# Altium PCB IMX035_PCB_Rev_C.c.PcbDoc (part 2 of 2)
Units mil, origin at the board's own origin, x right, y up, seen from the top; angles counter-clockwise.
Board outline 1654.54 x 1654.54 mil, 6 copper layers (TOP, A-VCC, A-GND, D-VCC, D-GND, BOTTOM), stack 47.2 mil thick; 71 components, 136 nets, 334 pads, 240 vias.
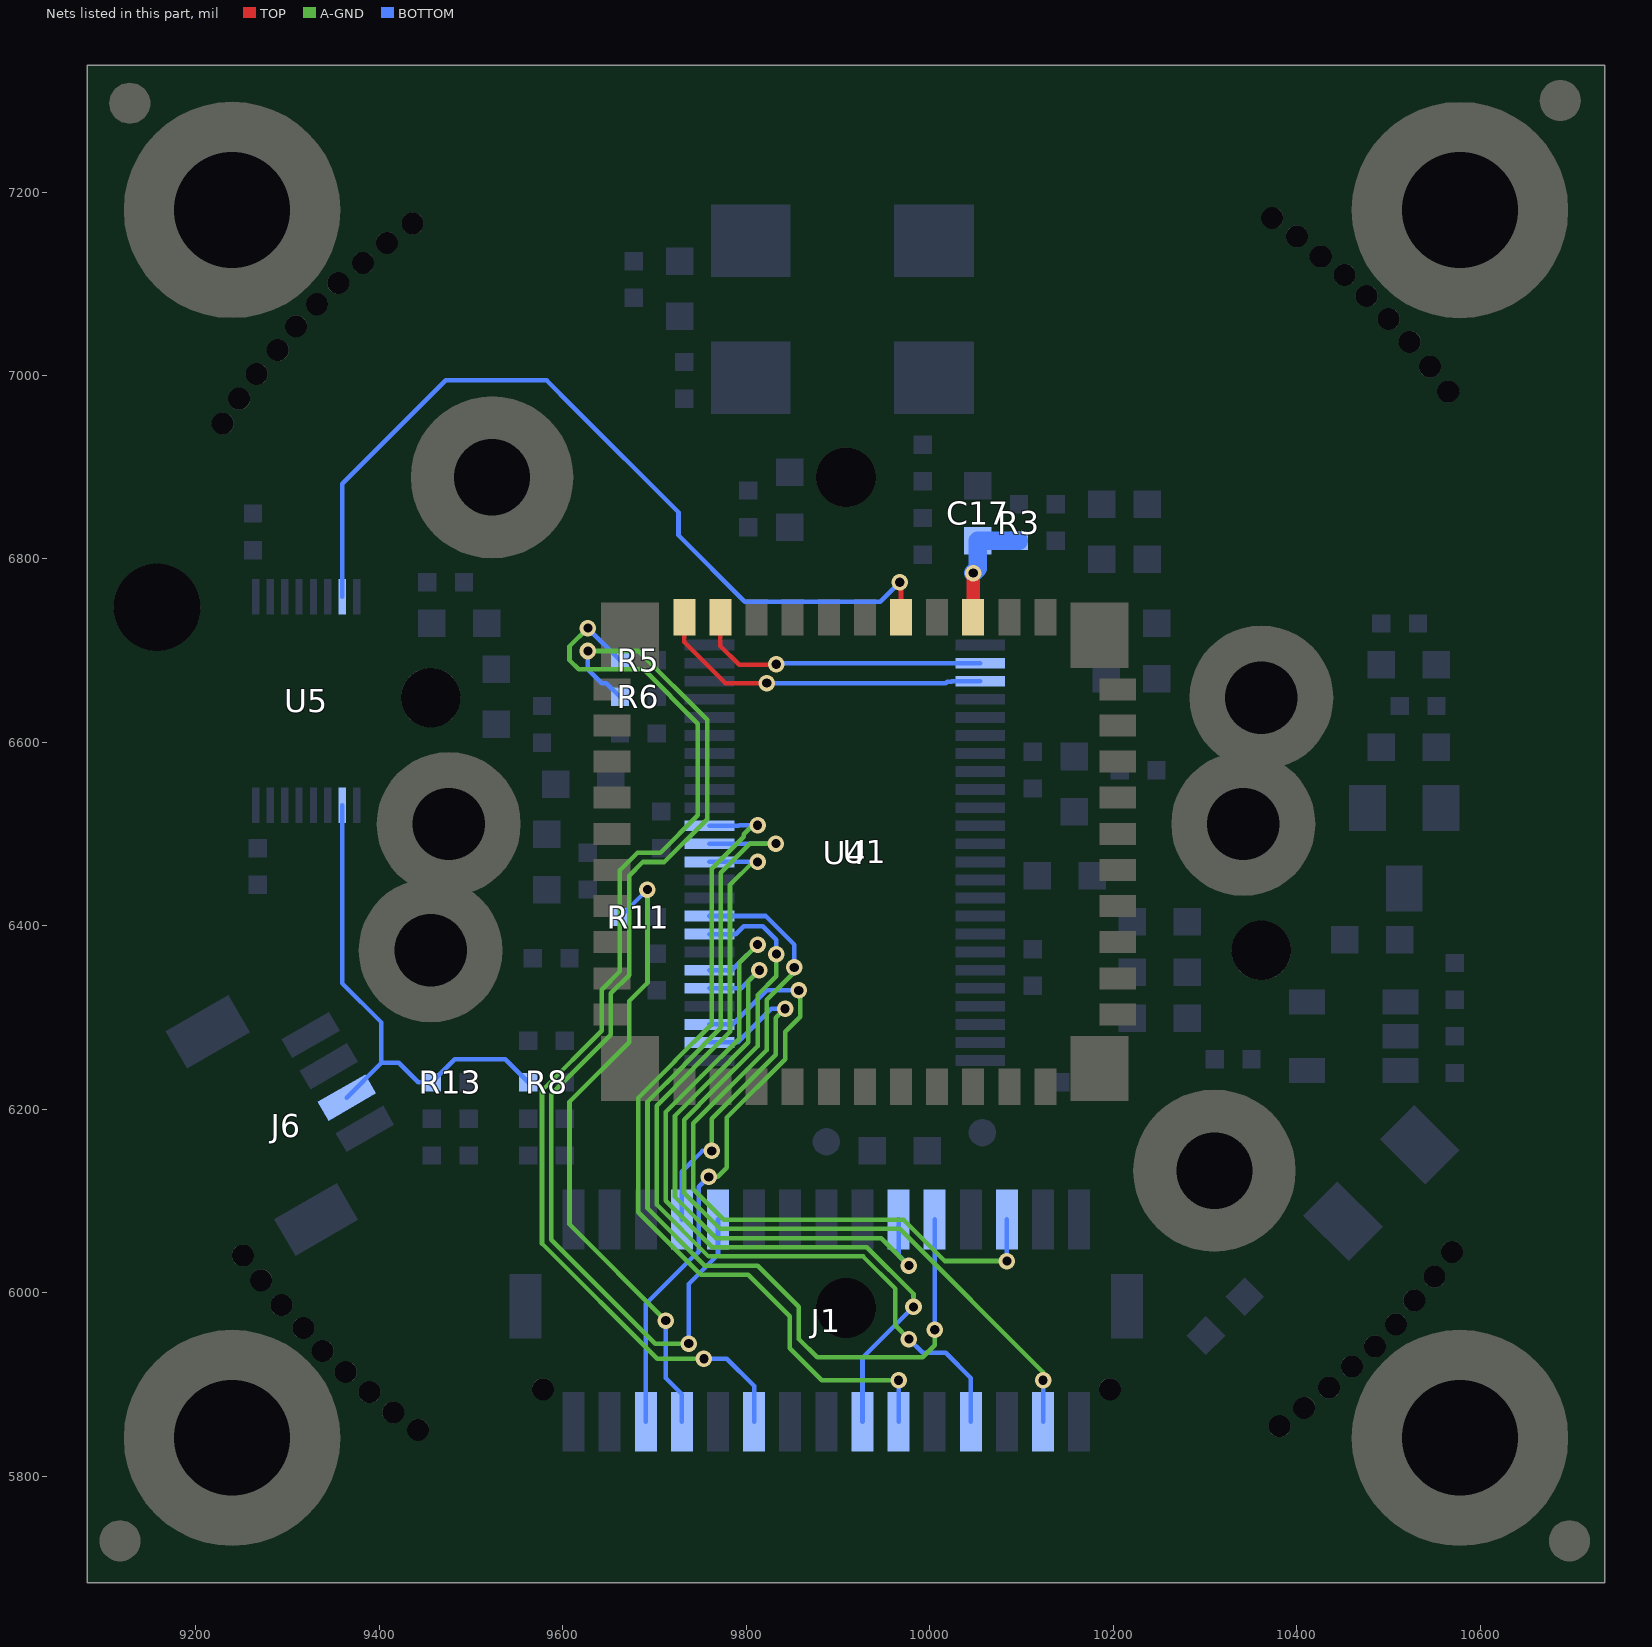
[diagram p6: the nets of this part, all layers, seen from the top]

## Via types
v1: diameter 24, hole 12, TOP to BOTTOM, 177 vias
v2: diameter 18, hole 10, TOP to BOTTOM, 63 vias

## Nets (pads, with @x,y where several pads share a name; then routed paths per layer and width w, separated by ;. In a path a pad name is that pad's centre, name@x,y a point inside that pad or via, vN(x,y) a via of type N, cw(c..) or ccw(c..) an arc to the next point about the centre after c; other vN are vias at no path point) (continued)
VIC_D3: J1.11 U4.38 | length 956.5
  A-GND w5: v2(9812.25,6509.65) 9807.11,6509.65 9797.25,6499.8 9797.25,6497.22 9762.25,6462.22 9762.25,6292.94 9722.25,6252.94 9722.25,6252.37 9682.25,6212.37 9682.25,6087.94 9750.54,6019.65 9802.25,6019.65 9847.25,5974.65 9847.25,5939.65 9882.25,5904.65 v2(9965.99,5904.65)
  BOTTOM w5: U4.38@9759.89,6509.18 9791.78,6509.18 9792.25,6509.65 v2(9812.25,6509.65) ; J1.11@9965.99,5859.41 v2(9965.99,5904.65)
VIC_D4: J1.10 U4.37 | length 1088.1
  A-GND w5: v2(9832.25,6489.65) 9803.83,6489.65 9772.25,6458.08 9772.25,6288.8 9732.25,6248.8 9732.25,6248.23 9692.25,6208.23 9692.25,6092.08 9754.68,6029.65 9812.25,6029.65 9857.25,5984.65 9857.25,5949.65 9877.25,5929.65 9992.25,5929.65 10005.36,5942.76 v2(10005.36,5959.65)
  BOTTOM w5: U4.37@9759.89,6489.49 9832.09,6489.49 v2(9832.25,6489.65) ; v2(10005.36,5959.65) J1.10@10005.36,6079.89
VIC_D5: J1.7 U4.36 | length 966.3
  A-GND w5: v2(9812.25,6469.65) 9807.25,6469.65 9782.25,6444.65 9782.25,6284.65 9742.25,6244.65 9742.25,6244.08 9702.25,6204.08 9702.25,6096.23 9758.83,6039.65 9927.25,6039.65 9962.25,6004.65 9962.25,5964.65 v2(9977.25,5949.65)
  BOTTOM w5: U4.36@9759.89,6469.81 9812.09,6469.81 v2(9812.25,6469.65) ; v2(9977.25,5949.65) 9992.25,5934.65 10017.25,5934.65 10044.73,5907.17 J1.7@10044.73,5859.41
VIC_D6: J1.6 U4.33 | length 837.1
  A-GND w5: v2(9852.25,6354.65) 9852.25,6349.65 9822.25,6319.65 9822.25,6264.65 9742.25,6184.65 9742.25,6112.8 9775.4,6079.65 9971.4,6079.65 10016.4,6034.65 v2(10084.1,6034.65)
  BOTTOM w5: U4.33@9759.89,6410.75 9821.16,6410.75 9852.25,6379.65 v2(9852.25,6354.65) ; v2(10084.1,6034.65) J1.6@10084.1,6079.89
VIC_D7: J1.3 U4.32 | length 926.6
  A-GND w5: v2(9832.76,6369.25) 9832.76,6368.85 9832.83,6368.8 9832.83,6345.23 9812.25,6324.65 9812.25,6268.8 9765.18,6221.73 9732.25,6188.8 9732.25,6108.65 9771.25,6069.65 9967.25,6069.65 10123.47,5913.43 v2(10123.47,5904.65)
  BOTTOM w5: U4.32@9759.89,6391.07 9788.67,6391.07 9797.25,6399.65 9818.11,6399.65 9832.76,6385 v2(9832.76,6369.25) ; J1.3@10123.47,5859.41 v2(10123.47,5904.65)
VIC_D8: J1.13 U4.30 | length 859.1
  A-GND w5: v2(9812.25,6379.65) 9792.25,6359.65 9792.25,6277.08 9751.04,6235.87 9712.25,6197.08 9712.25,6100.37 9762.97,6049.65 9931.4,6049.65 9982.25,5998.8 v2(9982.25,5984.65)
  BOTTOM w5: U4.30@9759.89,6351.7 9784.3,6351.7 v2(9812.25,6379.65) ; J1.13@9926.62,5859.41 9926.62,5929.02 v2(9982.25,5984.65)
VIC_D9: J1.12 U4.29 | length 688.7
  A-GND w5: v2(9814.25,6351.65) 9802.25,6339.65 9802.25,6272.94 9762.25,6232.94 9754.74,6225.43 9722.25,6192.94 9722.25,6104.51 9767.11,6059.65 9947.25,6059.65 v2(9977.25,6029.65)
  BOTTOM w5: U4.29@9759.89,6332.01 9794.61,6332.01 v2(9814.25,6351.65) ; J1.12@9965.99,6079.89 9965.99,6040.91 v2(9977.25,6029.65)
VIC_D10: J1.25 U4.27 | length 659.7
  A-GND w5: v2(9758.99,6126.39) 9768.99,6126.39 9778.75,6136.15 9778.75,6191.15 9842.25,6254.65 9842.25,6284.65 9858.75,6301.15 9858.75,6328.15 v2(9857.25,6329.65)
  BOTTOM w5: J1.25@9690.4,5859.41 9690.4,5987.8 9743.49,6040.89 9744.47,6040.89 9748.27,6044.7 9748.27,6115.67 v2(9758.99,6126.39) ; U4.27@9759.89,6292.64 9785.24,6292.64 9822.25,6329.65 v2(9857.25,6329.65)
VIC_D11: J1.24 U4.26 | length 379.8
  A-GND w5: v2(9762.25,6154.65) 9762.25,6189.65 9832.25,6259.65 9832.25,6299.65 v2(9842.25,6309.65)
  BOTTOM w5: J1.24@9729.77,6079.89 9729.77,6132.17 9752.25,6154.65 v2(9762.25,6154.65) ; U4.26@9759.89,6272.96 9790.56,6272.96 9827.25,6309.65 v2(9842.25,6309.65)
VIC_HS: J1.19 R5.2 | length 1247.8
  A-GND w5: v2(9627.25,6724.65) 9607.25,6704.65 9607.25,6689.65 9617.25,6679.65 9688.11,6679.65 9747.25,6620.51 9747.25,6520.51 9706.4,6479.65 9681.4,6479.65 9662.25,6460.51 9662.25,6350.51 9642.25,6330.51 9642.25,6285.51 9577.25,6220.51 9577.25,6053.8 9702.9,5928.15 v2(9753.75,5928.15)
  BOTTOM w5: v2(9627.25,6724.65) R5.2@9662.25,6689.65 ; v2(9753.75,5928.15) 9778.75,5928.15 9808.51,5898.39 J1.19@9808.51,5859.41
VIC_PCLK: J1.23 R11.2 | length 708.6
  A-GND w5: v2(9692.25,6439.65) 9692.25,6338.08 9672.25,6318.08 9672.25,6273.08 9607.25,6208.08 9607.25,6074.65 v2(9712.25,5969.65)
  BOTTOM w5: R11.2@9662.25,6409.65 v2(9692.25,6439.65) ; v2(9712.25,5969.65) 9712.25,5907.17 9729.77,5889.65 J1.23@9729.77,5859.41
VIC_VS: J1.22 R6.2 | length 1224.6
  A-GND w5: v2(9627.25,6699.65) 9682.25,6699.65 9757.25,6624.65 9757.25,6516.37 9710.54,6469.65 9687.25,6469.65 9672.25,6454.65 9672.25,6346.37 9652.25,6326.37 9652.25,6281.37 9587.25,6216.36 9587.25,6057.94 9700.54,5944.65 v2(9737.25,5944.65)
  BOTTOM w5: v2(9627.25,6699.65) 9627.25,6679.65 9642.25,6664.65 9647.25,6664.65 R6.2@9662.25,6649.65 ; v2(9737.25,5944.65) 9737.25,6009.65 9769.14,6041.54 J1.22@9769.14,6079.89
VICD0: 
VICD1: 
VICD2: 
VICD3: 
VICD4: 
VICD5: 
VICD6: 
VICD7: 
VICD8: 
VICD9: 
VICD10: 
VICD11: 
VICHS: 
VICPCLKIN: 
VICPCLKOUT: 
VICRSTN: 
VICSCK: 
VICSCS: 
VICSI: 
VICSO: 
VICVS: 
VS: 
XCE_S: U1.J14 U5.7 | length 939.5
  TOP w5: v2(9967.25,6774.65) 9968.62,6773.28 U1.J14@9968.62,6736.56
  BOTTOM w5: U5.7@9359.65,6758.83 9359.65,6882.05 9472.25,6994.65 9582.25,6994.65 9583.46,6993.44 9610.36,6966.55 9726.04,6850.86 9726.04,6825.86 9798.46,6753.44 9946.04,6753.44 v2(9967.25,6774.65)
XCES: J6.3 R8.1 R13.1 U5.10 | length 541.3
  BOTTOM w5: U5.10@9359.65,6531.47 9359.65,6337.25 9402.25,6294.65 9402.25,6250.61 ; J6.3@9364.51,6212.86 9402.25,6250.61 ; R8.1@9562.25,6229.65 9537.25,6254.65 9482.25,6254.65 R13.1@9457.25,6229.65 9442.25,6229.65 9421.3,6250.61 9402.25,6250.61
XCLR_S: C17.2 R3.1 U1.L14 | length 130.1
  TOP w15: U1.L14@10047.36,6736.56 v2(10047.36,6784.65)
  BOTTOM w20: v2(10047.36,6784.65) 10052.25,6789.54 C17.2@10052.25,6819.65 R3.1@10097.25,6819.65
XHS_S: U1.D14 U4.2 | length 324
  TOP w5: U1.D14@9771.77,6736.56 9771.77,6705.13 9792.25,6684.65 9831.97,6684.65 v2(9832.54,6685.23)
  BOTTOM w5: v2(9832.54,6685.23) 9837.83,6685.23 9838.94,6686.34 U4.2@10055.17,6686.34
XVS_S: U1.C14 U4.3 | length 369.2
  TOP w5: U1.C14@9732.4,6736.56 9732.4,6709.5 9777.25,6664.65 v2(9822.25,6664.65)
  BOTTOM w5: v2(9822.25,6664.65) 10017.25,6664.65 10018.94,6666.34 10023.94,6666.34 10024.26,6666.66 U4.3@10055.17,6666.66
pads on no net: H13.1 H14.1 H15.1 H16.1 J1.20 J1.21 J1.28 J1.30 J1.33 J1.34 U1.A14 U1.R14 U5.4 U5.13 X1.1

## Polygon pours and split planes (outlines as drawn)
3V3_S on BOTTOM (solid, pour order 46): 47 vertices, not listed, extent 10320.7,5974.54 10490.7,6213.88
GND_S on BOTTOM (solid, pour order 36): 2550 vertices, not listed, extent 9140.09,5739.46 10680,7281.77
GND_S on BOTTOM (solid, pour order 34): 118 vertices, not listed, extent 10182.84,5888.5 10281.04,6024.65
GND_S on BOTTOM (solid, pour order 32): 964 vertices, not listed, extent 9477.38,6122.39 9809.75,6619.98
GND_S on BOTTOM (solid, pour order 30): 63 vertices, not listed, extent 9324.75,6152.15 9437.25,6238.1
GND_S on BOTTOM (solid, pour order 28): 114 vertices, not listed, extent 10092.18,6322.15 10159.98,6364.22
GND_S on BOTTOM (solid, pour order 26): 306 vertices, not listed, extent 10090.7,6394.7 10182.2,6709.65
GND_S on BOTTOM (solid, pour order 24): 435 vertices, not listed, extent 9800.7,6423.25 10011.1,6647.95
GND_S on BOTTOM (solid, pour order 22): 172 vertices, not listed, extent 10232.2,6552.29 10295.26,6605.71
GND_S on BOTTOM (solid, pour order 20): 110 vertices, not listed, extent 9636.95,6706.74 9752.3,6754.91
GND_S on BOTTOM (solid, pour order 18): 164 vertices, not listed, extent 9554.71,6780.96 9723.66,6982.15
GND_S on BOTTOM (solid, pour order 16): 437 vertices, not listed, extent 9805.7,6430.46 9995.7,6647.24
D1V8_S on BOTTOM (solid, pour order 6): 10510.7,6794.54 10510.7,6684.54 10500.7,6674.54 10480.7,6674.54 10435.7,6719.54 10435.7,6779.54 10460.7,6804.54 10500.7,6804.54 10510.7,6794.54
N22563992 on BOTTOM (solid, pour order 2): 10540.7,6704.54 10570.7,6704.54 10580.7,6694.54 10580.7,6514.54 10570.7,6504.54 10545.7,6504.54 10535.7,6514.54 10535.7,6699.54 10540.7,6704.54
3V3_S on D-VCC (solid, pour order 44): 2905 vertices, not listed, extent 9140.09,5739.46 10677.25,6759.65
D1V8_S on D-VCC (solid, pour order 4): 2992 vertices, not listed, extent 9155.13,6129.65 10676.94,7282.04
GND_S on A-VCC (solid, pour order 8): 138 vertices, not listed, extent 9140.09,5739.46 10680,7281.77
GND_S on A-GND (solid, pour order 12): 138 vertices, not listed, extent 9140.09,5739.46 10680,7281.77
GND_S on A-GND (solid, pour order 10): 106 vertices, not listed, extent 9684.75,6281.2 9719.75,6457.15
GND_S on D-GND (solid, pour order 14): 138 vertices, not listed, extent 9140.09,5739.46 10680,7281.77
GND_S on TOP (solid, pour order 42): 176 vertices, not listed, extent 9147.99,5748.01 10671.77,7274.06
GND_S on TOP (solid, pour order 40): 1635 vertices, not listed, extent 9675.7,6249.54 10175.7,6706.56
GND_S on TOP (solid, pour order 38): 156 vertices, not listed, extent 10234.84,6549.29 10295.26,6605.71
no net on SILK_BOT (solid): 9611.47,6889.02 ccw(c9522.85,6889.02) 9522.85,6977.64 ccw(c9522.85,6889.02) 9434.22,6889.02 ccw(c9522.85,6889.02) 9522.85,6800.4 ccw(c9522.85,6889.02) 9611.47,6889.02
no net on SILK_BOT (solid): 10398.87,6133.12 ccw(c10310.25,6133.12) 10310.25,6221.74 ccw(c10310.25,6133.12) 10221.63,6133.12 ccw(c10310.25,6133.12) 10310.25,6044.5 ccw(c10310.25,6133.12) 10398.87,6133.12
no net on SILK_BOT (solid): 9535.08,6373.27 ccw(c9455.92,6373.27) 9455.92,6452.43 ccw(c9455.92,6373.27) 9376.76,6373.27 ccw(c9455.92,6373.27) 9455.92,6294.1 ccw(c9455.92,6373.27) 9535.08,6373.27
no net on SILK_BOT (solid): 9554.76,6511.07 ccw(c9475.6,6511.07) 9475.6,6590.23 ccw(c9475.6,6511.07) 9396.44,6511.07 ccw(c9475.6,6511.07) 9475.6,6431.9 ccw(c9475.6,6511.07) 9554.76,6511.07
no net on SILK_BOT (solid): 10420.9,6511.07 ccw(c10341.74,6511.07) 10341.74,6590.23 ccw(c10341.74,6511.07) 10262.58,6511.07 ccw(c10341.74,6511.07) 10341.74,6431.9 ccw(c10341.74,6511.07) 10420.9,6511.07
no net on SILK_BOT (solid): 10440.59,6648.86 ccw(c10361.43,6648.86) 10361.43,6728.02 ccw(c10361.43,6648.86) 10282.26,6648.86 ccw(c10361.43,6648.86) 10361.43,6569.7 ccw(c10361.43,6648.86) 10440.59,6648.86
no net on SILK_BOT (solid): 9488.23,6648.86 ccw(c9455.92,6648.86) 9455.92,6681.17 ccw(c9455.92,6648.86) 9423.61,6648.86 ccw(c9455.92,6648.86) 9455.92,6616.55 ccw(c9455.92,6648.86) 9488.23,6648.86
no net on SILK_BOT (solid): 9940.98,5983.51 ccw(c9908.67,5983.51) 9908.67,6015.82 ccw(c9908.67,5983.51) 9876.36,5983.51 ccw(c9908.67,5983.51) 9908.67,5951.2 ccw(c9908.67,5983.51) 9940.98,5983.51
no net on SILK_BOT (solid): 9940.98,6889.02 ccw(c9908.67,6889.02) 9908.67,6921.33 ccw(c9908.67,6889.02) 9876.35,6889.02 ccw(c9908.67,6889.02) 9908.67,6856.71 ccw(c9908.67,6889.02) 9940.98,6889.02
no net on SILK_BOT (solid): 10393.74,6373.27 ccw(c10361.43,6373.27) 10361.43,6405.58 ccw(c10361.43,6373.27) 10329.11,6373.27 ccw(c10361.43,6373.27) 10361.43,6340.96 ccw(c10361.43,6373.27) 10393.74,6373.27
no net on SILK_BOT (solid): 9204.92,6747.29 ccw(c9157.54,6747.29) 9157.54,6794.67 ccw(c9157.54,6747.29) 9110.15,6747.29 ccw(c9157.54,6747.29) 9157.54,6699.9 ccw(c9157.54,6747.29) 9204.92,6747.29
no net on SILK_BOT (solid): 9350.19,5936.65 ccw(c9338.19,5936.65) 9338.19,5948.65 ccw(c9338.19,5936.65) 9326.19,5936.65 ccw(c9338.19,5936.65) 9338.19,5924.65 ccw(c9338.19,5936.65) 9350.19,5936.65
no net on SILK_BOT (solid): 9329.19,5961.65 ccw(c9317.19,5961.65) 9317.19,5973.65 ccw(c9317.19,5961.65) 9305.19,5961.65 ccw(c9317.19,5961.65) 9317.19,5949.65 ccw(c9317.19,5961.65) 9329.19,5961.65
no net on SILK_BOT (solid): 9305.19,5986.65 ccw(c9293.19,5986.65) 9293.19,5998.65 ccw(c9293.19,5986.65) 9281.19,5986.65 ccw(c9293.19,5986.65) 9293.19,5974.65 ccw(c9293.19,5986.65) 9305.19,5986.65
no net on SILK_BOT (solid): 9263.19,6040.65 ccw(c9251.19,6040.65) 9251.19,6052.65 ccw(c9251.19,6040.65) 9239.19,6040.65 ccw(c9251.19,6040.65) 9251.19,6028.65 ccw(c9251.19,6040.65) 9263.19,6040.65
no net on SILK_BOT (solid): 9283.19,6013.65 ccw(c9271.19,6013.65) 9271.19,6025.65 ccw(c9271.19,6013.65) 9259.19,6013.65 ccw(c9271.19,6013.65) 9271.19,6001.65 ccw(c9271.19,6013.65) 9283.19,6013.65
no net on SILK_BOT (solid): 9344.19,7077.65 ccw(c9332.19,7077.65) 9332.19,7089.65 ccw(c9332.19,7077.65) 9320.19,7077.65 ccw(c9332.19,7077.65) 9332.19,7065.65 ccw(c9332.19,7077.65) 9344.19,7077.65
no net on SILK_BOT (solid): 9321.19,7053.65 ccw(c9309.19,7053.65) 9309.19,7065.65 ccw(c9309.19,7053.65) 9297.19,7053.65 ccw(c9309.19,7053.65) 9309.19,7041.65 ccw(c9309.19,7053.65) 9321.19,7053.65
no net on SILK_BOT (solid): 9241.19,6947.65 ccw(c9229.19,6947.65) 9229.19,6959.65 ccw(c9229.19,6947.65) 9217.19,6947.65 ccw(c9229.19,6947.65) 9229.19,6935.65 ccw(c9229.19,6947.65) 9241.19,6947.65
no net on SILK_BOT (solid): 9259.19,6974.65 ccw(c9247.19,6974.65) 9247.19,6986.65 ccw(c9247.19,6974.65) 9235.19,6974.65 ccw(c9247.19,6974.65) 9247.19,6962.65 ccw(c9247.19,6974.65) 9259.19,6974.65
no net on SILK_BOT (solid): 9278.19,7001.65 ccw(c9266.19,7001.65) 9266.19,7013.65 ccw(c9266.19,7001.65) 9254.19,7001.65 ccw(c9266.19,7001.65) 9266.19,6989.65 ccw(c9266.19,7001.65) 9278.19,7001.65
no net on SILK_BOT (solid): 9301.19,7027.65 ccw(c9289.19,7027.65) 9289.19,7039.65 ccw(c9289.19,7027.65) 9277.19,7027.65 ccw(c9289.19,7027.65) 9289.19,7015.65 ccw(c9289.19,7027.65) 9301.19,7027.65
no net on SILK_BOT (solid): 9401.19,5891.65 ccw(c9389.19,5891.65) 9389.19,5903.65 ccw(c9389.19,5891.65) 9377.19,5891.65 ccw(c9389.19,5891.65) 9389.19,5879.65 ccw(c9389.19,5891.65) 9401.19,5891.65
no net on SILK_BOT (solid): 9375.19,5913.65 ccw(c9363.19,5913.65) 9363.19,5925.65 ccw(c9363.19,5913.65) 9351.19,5913.65 ccw(c9363.19,5913.65) 9363.19,5901.65 ccw(c9363.19,5913.65) 9375.19,5913.65
no net on SILK_BOT (solid): 9454.19,5850.65 ccw(c9442.19,5850.65) 9442.19,5862.65 ccw(c9442.19,5850.65) 9430.19,5850.65 ccw(c9442.19,5850.65) 9442.19,5838.65 ccw(c9442.19,5850.65) 9454.19,5850.65
no net on SILK_BOT (solid): 9427.19,5869.65 ccw(c9415.19,5869.65) 9415.19,5881.65 ccw(c9415.19,5869.65) 9403.19,5869.65 ccw(c9415.19,5869.65) 9415.19,5857.65 ccw(c9415.19,5869.65) 9427.19,5869.65
no net on SILK_BOT (solid): 9367.19,7100.65 ccw(c9355.19,7100.65) 9355.19,7112.65 ccw(c9355.19,7100.65) 9343.19,7100.65 ccw(c9355.19,7100.65) 9355.19,7088.65 ccw(c9355.19,7100.65) 9367.19,7100.65
no net on SILK_BOT (solid): 9394.19,7122.65 ccw(c9382.19,7122.65) 9382.19,7134.65 ccw(c9382.19,7122.65) 9370.19,7122.65 ccw(c9382.19,7122.65) 9382.19,7110.65 ccw(c9382.19,7122.65) 9394.19,7122.65
no net on SILK_BOT (solid): 9420.19,7144.65 ccw(c9408.19,7144.65) 9408.19,7156.65 ccw(c9408.19,7144.65) 9396.19,7144.65 ccw(c9408.19,7144.65) 9408.19,7132.65 ccw(c9408.19,7144.65) 9420.19,7144.65
no net on SILK_BOT (solid): 9448.19,7165.65 ccw(c9436.19,7165.65) 9436.19,7177.65 ccw(c9436.19,7165.65) 9424.19,7165.65 ccw(c9436.19,7165.65) 9436.19,7153.65 ccw(c9436.19,7165.65) 9448.19,7165.65
no net on SILK_BOT (solid): 10540.19,5991.65 ccw(c10528.19,5991.65) 10528.19,6003.65 ccw(c10528.19,5991.65) 10516.19,5991.65 ccw(c10528.19,5991.65) 10528.19,5979.65 ccw(c10528.19,5991.65) 10540.19,5991.65
no net on SILK_BOT (solid): 10520.19,5965.65 ccw(c10508.19,5965.65) 10508.19,5977.65 ccw(c10508.19,5965.65) 10496.19,5965.65 ccw(c10508.19,5965.65) 10508.19,5953.65 ccw(c10508.19,5965.65) 10520.19,5965.65
no net on SILK_BOT (solid): 10497.19,5941.65 ccw(c10485.19,5941.65) 10485.19,5953.65 ccw(c10485.19,5941.65) 10473.19,5941.65 ccw(c10485.19,5941.65) 10485.19,5929.65 ccw(c10485.19,5941.65) 10497.19,5941.65
no net on SILK_BOT (solid): 10472.19,5919.65 ccw(c10460.19,5919.65) 10460.19,5931.65 ccw(c10460.19,5919.65) 10448.19,5919.65 ccw(c10460.19,5919.65) 10460.19,5907.65 ccw(c10460.19,5919.65) 10472.19,5919.65
no net on SILK_BOT (solid): 10420.19,5874.65 ccw(c10408.19,5874.65) 10408.19,5886.65 ccw(c10408.19,5874.65) 10396.19,5874.65 ccw(c10408.19,5874.65) 10408.19,5862.65 ccw(c10408.19,5874.65) 10420.19,5874.65
no net on SILK_BOT (solid): 10447.19,5896.65 ccw(c10435.19,5896.65) 10435.19,5908.65 ccw(c10435.19,5896.65) 10423.19,5896.65 ccw(c10435.19,5896.65) 10435.19,5884.65 ccw(c10435.19,5896.65) 10447.19,5896.65
no net on SILK_BOT (solid): 10393.19,5854.65 ccw(c10381.19,5854.65) 10381.19,5866.65 ccw(c10381.19,5854.65) 10369.19,5854.65 ccw(c10381.19,5854.65) 10381.19,5842.65 ccw(c10381.19,5854.65) 10393.19,5854.65
no net on SILK_BOT (solid): 10562.19,6017.65 ccw(c10550.19,6017.65) 10550.19,6029.65 ccw(c10550.19,6017.65) 10538.19,6017.65 ccw(c10550.19,6017.65) 10550.19,6005.65 ccw(c10550.19,6017.65) 10562.19,6017.65
no net on SILK_BOT (solid): 10535.19,7036.65 ccw(c10523.19,7036.65) 10523.19,7048.65 ccw(c10523.19,7036.65) 10511.19,7036.65 ccw(c10523.19,7036.65) 10523.19,7024.65 ccw(c10523.19,7036.65) 10535.19,7036.65
no net on SILK_BOT (solid): 10557.19,7009.65 ccw(c10545.19,7009.65) 10545.19,7021.65 ccw(c10545.19,7009.65) 10533.19,7009.65 ccw(c10545.19,7009.65) 10545.19,6997.65 ccw(c10545.19,7009.65) 10557.19,7009.65
no net on SILK_BOT (solid): 10488.19,7086.65 ccw(c10476.19,7086.65) 10476.19,7098.65 ccw(c10476.19,7086.65) 10464.19,7086.65 ccw(c10476.19,7086.65) 10476.19,7074.65 ccw(c10476.19,7086.65) 10488.19,7086.65
no net on SILK_BOT (solid): 10512.19,7061.65 ccw(c10500.19,7061.65) 10500.19,7073.65 ccw(c10500.19,7061.65) 10488.19,7061.65 ccw(c10500.19,7061.65) 10500.19,7049.65 ccw(c10500.19,7061.65) 10512.19,7061.65
no net on SILK_BOT (solid): 10412.19,7151.65 ccw(c10400.19,7151.65) 10400.19,7163.65 ccw(c10400.19,7151.65) 10388.19,7151.65 ccw(c10400.19,7151.65) 10400.19,7139.65 ccw(c10400.19,7151.65) 10412.19,7151.65
no net on SILK_BOT (solid): 10385.19,7171.65 ccw(c10373.19,7171.65) 10373.19,7183.65 ccw(c10373.19,7171.65) 10361.19,7171.65 ccw(c10373.19,7171.65) 10373.19,7159.65 ccw(c10373.19,7171.65) 10385.19,7171.65
no net on SILK_BOT (solid): 10438.19,7129.65 ccw(c10426.19,7129.65) 10426.19,7141.65 ccw(c10426.19,7129.65) 10414.19,7129.65 ccw(c10426.19,7129.65) 10426.19,7117.65 ccw(c10426.19,7129.65) 10438.19,7129.65
no net on SILK_BOT (solid): 10464.19,7109.65 ccw(c10452.19,7109.65) 10452.19,7121.65 ccw(c10452.19,7109.65) 10440.19,7109.65 ccw(c10452.19,7109.65) 10452.19,7097.65 ccw(c10452.19,7109.65) 10464.19,7109.65
no net on SILK_BOT (solid): 10581.19,6044.65 ccw(c10569.19,6044.65) 10569.19,6056.65 ccw(c10569.19,6044.65) 10557.19,6044.65 ccw(c10569.19,6044.65) 10569.19,6032.65 ccw(c10569.19,6044.65) 10581.19,6044.65
no net on SILK_BOT (solid): 10577.19,6982.65 ccw(c10565.19,6982.65) 10565.19,6994.65 ccw(c10565.19,6982.65) 10553.19,6982.65 ccw(c10565.19,6982.65) 10565.19,6970.65 ccw(c10565.19,6982.65) 10577.19,6982.65

## Keep-outs
TOP:
  circle w1: c9117.25,5729.65 r45
  circle w1: c9127.92,7296.74 r45
  circle w1: c10697.25,5729.65 r45
  circle w1: c10687.25,7299.65 r45
BOTTOM:
  circle w1: c9117.25,5729.65 r45
  circle w1: c9127.92,7296.74 r45
  circle w1: c10697.25,5729.65 r45
  circle w1: c10687.25,7299.65 r45

## Other copper
TOP:
  drawing of 29 lines, arcs and shapes, not listed
A-VCC:
  drawing of 54 lines, arcs and shapes, not listed
A-GND:
  drawing of 42 lines, arcs and shapes, not listed
D-VCC:
  drawing of 103 lines, arcs and shapes, not listed
D-GND:
  drawing of 54 lines, arcs and shapes, not listed
BOTTOM:
  drawing of 25 lines, arcs and shapes, not listed
Multi-Layer:
  pour cut-out: 10080.7,6419.54 10080.7,6474.54 10015.7,6474.54 10015.7,6419.54 10080.7,6419.54 0,0

## Silkscreen, mask and mechanical layers (free items; w line width, h text height)
Top Overlay:
  circle w1: c9522.85,6889.02 r88.14
  circle w1: c10310.25,6133.12 r88.14
  circle w1: c9455.92,6373.27 r78.87
  circle w1: c9475.6,6511.07 r78.87
  circle w1: c9455.92,6648.86 r32.39
  circle w1: c9908.67,5983.51 r32.39
  circle w1: c9908.67,6889.02 r32.39
  circle w1: c10361.43,6373.27 r32.39
  circle w1: c9157.54,6747.29 r47.41
NCLEGEND-1-6:
  circle w1: c10902.59,6728.3 r6
  circle w1: c10902.59,6539.3 r39.5
  circle w1: c10902.59,6350.3 r41.5
  circle w1: c10902.59,6161.3 r63
  circle w1: c10902.59,5783.3 r32.5
  circle w1: c10902.59,5594.3 r47.5
  lines w1: 10817.95,5688.8 11731.33,5688.8 ; 10817.95,5877.8 11731.33,5877.8 ; 10817.95,6066.8 11731.33,6066.8 ; 10817.95,6255.8 11731.33,6255.8 ; 10817.95,6444.8 11731.33,6444.8 ; 10817.95,6633.8 11731.33,6633.8 ; 10817.95,6822.8 11731.33,6822.8 ; 10817.95,7011.8 11731.33,7011.8 ; 10817.95,7051.17 11731.33,7051.17 ; 10817.95,7090.54 11731.33,7090.54 ; 10877.59,5972.3 10927.59,5972.3 ; 10892.59,6917.3 10912.59,6917.3 ; 10902.59,5947.3 10902.59,5997.3 ; 10902.59,6907.3 10902.59,6927.3 ; 10987.24,5499.8 10987.24,7051.17 ; 11345.51,5499.8 11345.51,7051.17 ; 11585.66,5499.8 11585.66,7051.17 ; 10817.95,5499.8 10817.95,7340.54 11731.33,7340.54 11731.33,5499.8 10817.95,5499.8
  text "DRILL CHART: TOP to BOTTOM" at 11069.92,7311.01 h19.68
  text "ALL UNITS ARE IN MILS" at 11109.29,7061.01 h19.68
  text "FIGURE" at 10855.35,7021.64 h19.68
  text "SIZE" at 11134.88,7021.64 h19.68
  text "PLATED" at 11418.34,7021.64 h19.68
  text "QTY" at 11634.88,7021.64 h19.68
  text "10.0" at 11134.88,6907.46 h19.68
  text "PLATED" at 11418.34,6907.46 h19.68
  text "63" at 11642.75,6907.46 h19.68
  text "12.0" at 11134.88,6718.46 h19.68
  text "PLATED" at 11418.34,6718.46 h19.68
  text "177" at 11634.88,6718.46 h19.68
  text "79.0" at 11134.88,6529.46 h19.68
  text "PLATED" at 11418.34,6529.46 h19.68
  text "4" at 11650.62,6529.46 h19.68
  text "83.0" at 11134.88,6340.46 h19.68
  text "PLATED" at 11418.34,6340.46 h19.68
  text "2" at 11650.62,6340.46 h19.68
  text "126.0" at 11127,6151.46 h19.68
  text "PLATED" at 11418.34,6151.46 h19.68
  text "4" at 11650.62,6151.46 h19.68
  text "24.0" at 11134.88,5962.46 h19.68
  text "NON-PLATED" at 11386.84,5962.46 h19.68
  text "39" at 11642.75,5962.46 h19.68
  text "65.0" at 11134.88,5773.46 h19.68
  text "NON-PLATED" at 11386.84,5773.46 h19.68
  text "4" at 11650.62,5773.46 h19.68
  text "95.0" at 11134.88,5584.46 h19.68
  text "NON-PLATED" at 11386.84,5584.46 h19.68
  text "1" at 11650.62,5584.46 h19.68
OUTLINE:
  circle w1: c10577.96,7180.36 r118.11
  circle w1: c10577.96,7180.36 r63
  circle w1: c10577.96,7180.36 r118.11
  circle w1: c10577.96,7180.36 r63
  circle w1: c10577.96,7180.36 r63
  circle w1: c10577.96,7180.36 r118.11
  circle w1: c10577.96,7180.36 r63
  circle w1: c10577.96,7180.36 r118.11
  lines w1: 9081.9,5684.3 9081.9,6463.82 ; 9081.9,5684.3 10735.44,5684.3 ; 9081.9,5684.3 9081.9,6463.82 ; 9081.9,5684.3 10735.44,5684.3 ; 9081.9,6463.81 9121.27,6463.81 ; 9081.9,6463.81 9121.27,6463.81 ; 9081.9,6463.82 9121.27,6463.82 ; 9081.9,6558.31 9081.9,7337.84 ; 9081.9,6558.31 9121.27,6558.31 ; 9081.9,6558.31 9081.9,7337.84 ; 9081.9,6558.31 9121.27,6558.31 ; 9081.9,6558.31 9121.27,6558.31 ; 9081.9,7337.84 10735.44,7337.84 10735.44,5684.3 ; 9084.84,6463.75 ccw(c9908.75,6511.03) 9084.84,6558.3 ; 9084.84,6463.75 ccw(c9908.75,6511.03) 9084.84,6558.3 ; 9084.84,6463.75 ccw(c9908.75,6511.03) 9084.84,6558.3 ; 9118.81,6463.82 ccw(c9908.7,6510.75) 9118.84,6558.26 ; 9118.81,6463.82 ccw(c9908.71,6510.75) 9118.84,6558.26 ; 9118.81,6463.82 9121.27,6463.82 ; 9118.81,6463.82 9121.27,6463.82 ; 9118.81,6463.82 9121.27,6463.82 ; 9118.81,6463.82 9121.27,6463.82 ; 9118.81,6463.82 9121.27,6463.82 ; 9118.8,6463.87 ccw(c9121.04,6511.06) 9118.84,6558.26 ; 9118.81,6463.87 ccw(c9908.7,6510.75) 9118.84,6558.26 ; 9118.81,6463.87 ccw(c9908.7,6510.75) 9118.84,6558.26 ; 9118.8,6463.87 ccw(c9121.04,6511.06) 9118.84,6558.26 ; 9118.84,6558.26 cw(c9121.04,6511.06) 9121.27,6463.82 ; 9118.85,6558.31 9121.27,6558.31 ; 9118.84,6558.31 9118.85,6558.31 ; 9118.85,6558.31 9121.27,6558.31 ; 9118.84,6558.31 9118.85,6558.31 ; 9118.85,6558.31 9121.27,6558.31 ; 9118.85,6558.31 9118.85,6558.31
1:
  drawing of 303 lines, arcs and shapes, not listed
0:
  drawing of 202 lines, arcs and shapes, not listed
LOGO:
  lines w6: 9086.95,5189.54 9086.95,5579.54 ; 9086.95,5189.54 9996.95,5189.54 ; 9086.95,5189.54 9086.95,5579.54 ; 9086.95,5189.54 9996.95,5189.54 ; 9086.95,5579.54 9996.95,5579.54 ; 9086.95,5579.54 9996.95,5579.54 ; 9996.95,5189.54 9996.95,5579.54 ; 9996.95,5189.54 9996.95,5579.54 ; 9086.95,5259.54 9996.95,5259.54 9086.95,5259.54 ; 9086.95,5339.54 9996.95,5339.54 9086.95,5339.54 ; 9086.95,5419.54 9996.95,5419.54 9086.95,5419.54 ; 9086.95,5499.54 9996.95,5499.54 9086.95,5499.54
  text "NXP Semiconductors" at 9096.95,5519.54 h40.2
  text "NXP Semiconductors" at 9096.95,5519.54 h40.2
  text "LAYER:" at 9096.95,5439.54 h40.2
  text "LAYER:" at 9096.95,5439.54 h40.2
  text "CIS-IMX035C.c" at 9096.95,5359.54 h40.2
  text "CIS-IMX035C.c" at 9096.95,5359.54 h40.2
  text "PCB REV:C.c" at 9096.95,5279.54 h40.2
  text "PCB REV:C.c" at 9096.95,5279.54 h40.2
  text "DATE:2010-0825" at 9096.95,5199.54 h40.2
  text "DATE:2010-0825" at 9096.95,5199.54 h40.2
L4 INT1 LAYER:
  text "L4 D-VCC" at 9326.95,5439.54 h40.2
  text "L4 D-VCC" at 9326.95,5439.54 h40.2
L3 VCC LAYER:
  text "L3 A-GND" at 9326.95,5439.54 h40.2
  text "L3 A-GND" at 9326.95,5439.54 h40.2
DRILL:
  text "DRILL" at 9326.95,5439.54 h40.2
  text "DRILL" at 9326.95,5439.54 h40.2
PASTE_BOT:
  text "PASTE_BOT" at 9326.95,5439.54 h40.2
  text "PASTE_BOT" at 9326.95,5439.54 h40.2
PASTE_TOP:
  text "PASTE_TOP" at 9326.95,5439.54 h40.2
  text "PASTE_TOP" at 9326.95,5439.54 h40.2
MASK_BOT:
  text "MASK_BOT" at 9356.95,5439.54 h40.2
  text "MASK_BOT" at 9356.95,5439.54 h40.2
MASK_TOP:
  text "MASK_TOP" at 9356.95,5439.54 h40.2
  text "MASK_TOP" at 9356.95,5439.54 h40.2
SILK_BOT:
  text "SILK_BOT" at 9356.95,5439.54 h40.2
  text "SILK_BOT" at 9356.95,5439.54 h40.2
SILK_TOP:
  text "SILK_TOP" at 9356.95,5439.54 h40.2
  text "SILK_TOP" at 9356.95,5439.54 h40.2
L6 BOTTOM LAYER:
  text "L6 BOTTOM" at 9326.95,5439.54 h40.2
  text "L6 BOTTOM" at 9326.95,5439.54 h40.2
L5 GND2 LAYER:
  text "L5 GND2" at 9326.95,5439.54 h40.2
  text "L5 GND2" at 9326.95,5439.54 h40.2
L2 GND1 LAYER:
  text "L2 A-VCC" at 9326.95,5439.54 h40.2
  text "L2 A-VCC" at 9326.95,5439.54 h40.2
L1 TOP LAYER:
  text "L1 TOP LAYER" at 9326.95,5439.54 h40.2
  text "L1 TOP LAYER" at 9326.95,5439.54 h40.2
PIN_NUMBER:
  text "1" at 10679.25,7299.65 h20
  text "1" at 10679.25,7299.65 h20
  text "1" at 9119.92,7296.74 h20
  text "1" at 9119.92,7296.74 h20
  text "1" at 10365.19,7171.65 h20 r270
  text "1" at 9428.19,7165.65 h20
  text "1" at 10392.19,7151.65 h20 r270
  text "1" at 9400.19,7144.65 h20
  text "1" at 10418.19,7129.65 h20 r270
  text "1" at 9374.19,7122.65 h20
  text "1" at 10444.19,7109.65 h20 r270
  text "1" at 9347.19,7100.65 h20
  text "1" at 10468.19,7086.65 h20 r270
  text "1" at 9324.19,7077.65 h20
  text "1" at 10492.19,7061.65 h20 r270
  text "1" at 9301.19,7053.65 h20
  text "1" at 10515.19,7036.65 h20 r270
  text "1" at 9281.19,7027.65 h20
  text "1" at 10537.19,7009.65 h20 r270
  text "1" at 9258.19,7001.65 h20
  text "1" at 10557.19,6982.65 h20 r270
  text "1" at 9239.19,6974.65 h20
  text "1" at 9221.19,6947.65 h20
  text "1" at 9512.85,6889.02 h25
  text "1" at 9898.67,6889.02 h25
  text "1" at 9147.54,6747.29 h25
  text "1" at 9445.92,6648.86 h25
  text "1" at 10351.43,6648.86 h25
  text "1" at 9465.6,6511.07 h25
  text "1" at 10331.74,6511.07 h25
  text "1" at 9445.92,6373.27 h25
  text "1" at 10351.43,6373.27 h25
  text "1" at 10300.25,6133.12 h25
  text "1" at 10561.19,6044.65 h20 r180
  text "1" at 9243.19,6040.65 h20 r90
  text "1" at 10542.19,6017.65 h20 r180
  text "1" at 9263.19,6013.65 h20 r90
  text "1" at 10520.19,5991.65 h20 r180
  text "1" at 9285.19,5986.65 h20 r90
  text "1" at 9898.67,5983.51 h25
  text "1" at 10500.19,5965.65 h20 r180
  text "1" at 9309.19,5961.65 h20 r90
  text "1" at 10477.19,5941.65 h20 r180
  text "1" at 9330.19,5936.65 h20 r90
  text "1" at 10452.19,5919.65 h20 r180
  text "1" at 9355.19,5913.65 h20 r90
  text "1" at 10427.19,5896.65 h20 r180
  text "1" at 9381.19,5891.65 h20 r90
  text "1" at 10400.19,5874.65 h20 r180
  text "1" at 9407.19,5869.65 h20 r90
  text "1" at 10373.19,5854.65 h20 r180
  text "1" at 9434.19,5850.65 h20 r90
  text "1" at 9109.25,5729.65 h20
  text "1" at 9109.25,5729.65 h20
  text "1" at 10689.25,5729.65 h20
  text "1" at 10689.25,5729.65 h20
ASSEMBLY_BOTTOM:
  text "F*" at 10712.25,7279.65 h20
  text "F*" at 9152.92,7276.74 h20
  text "F*" at 9142.25,5709.65 h20
  text "F*" at 10722.25,5709.65 h20
PLACE_BOUND_BOTTOM:
  lines w1: 9087.92,7256.74 9087.92,7336.74 9167.92,7336.74 9167.92,7256.74 9087.92,7256.74
ASSEMBLY_TOP:
  text "F*" at 10662.25,7279.65 h20
  text "F*" at 9102.92,7276.74 h20
  text "H*" at 10364.19,7199.65 h20 r270
  text "H*" at 10391.19,7179.65 h20 r270
  text "H*" at 10417.19,7157.65 h20 r270
  text "H*" at 9408.19,7156.65 h20
  text "H*" at 10443.19,7137.65 h20 r270
  text "H*" at 9380.19,7135.65 h20
  text "H*" at 10467.19,7114.65 h20 r270
  text "H*" at 9354.19,7113.65 h20
  text "H*" at 9327.19,7091.65 h20
  text "H*" at 10491.19,7089.65 h20 r270
  text "H*" at 9304.19,7068.65 h20
  text "H*" at 10514.19,7064.65 h20 r270
  text "H*" at 9281.19,7044.65 h20
  text "H*" at 10536.19,7037.65 h20 r270
  text "H*" at 9261.19,7018.65 h20
  text "H*" at 10556.19,7010.65 h20 r270
  text "H*" at 9238.19,6992.65 h20
  text "H*" at 9219.19,6965.65 h20
  text "H*" at 9201.19,6938.65 h20
  text "H*" at 9502.85,6894.02 h60
  text "H*" at 9888.67,6894.02 h60
  text "H*" at 9137.54,6752.29 h60
  text "H*" at 9435.92,6653.86 h60
  text "H*" at 10341.43,6653.86 h60
  text "H*" at 9455.6,6516.07 h60
  text "H*" at 10321.74,6516.07 h60
  text "H*" at 9435.92,6378.27 h60
  text "H*" at 10341.43,6378.27 h60
  text "H*" at 10290.25,6138.12 h60
  text "H*" at 10597.19,6053.65 h20 r180
  text "H*" at 10578.19,6026.65 h20 r180
  text "H*" at 9260.19,6012.65 h20 r90
  text "H*" at 10556.19,6000.65 h20 r180
  text "H*" at 9888.67,5988.51 h60
  text "H*" at 9280.19,5985.65 h20 r90
  text "H*" at 10536.19,5974.65 h20 r180
  text "H*" at 9302.19,5958.65 h20 r90
  text "H*" at 10513.19,5950.65 h20 r180
  text "H*" at 9326.19,5933.65 h20 r90
  text "H*" at 10488.19,5928.65 h20 r180
  text "H*" at 9347.19,5908.65 h20 r90
  text "H*" at 10463.19,5905.65 h20 r180
  text "H*" at 9372.19,5885.65 h20 r90
  text "H*" at 10436.19,5883.65 h20 r180
  text "H*" at 9398.19,5863.65 h20 r90
  text "H*" at 10409.19,5863.65 h20 r180
  text "H*" at 9424.19,5841.65 h20 r90
  text "H*" at 9451.19,5822.65 h20 r90
  text "F*" at 9092.25,5709.65 h20
  text "F*" at 10672.25,5709.65 h20
PLACE_BOUND_TOP:
  lines w1: 9087.92,7256.74 9087.92,7336.74 9167.92,7336.74 9167.92,7256.74 9087.92,7256.74

## Text inside footprints (layer, text, board x,y; h text height)
C1: PIN_NUMBER "2" at 10272.7,6404.54 h20 r180; PIN_NUMBER "1" at 10212.7,6404.54 h20 r180
C2: PIN_NUMBER "2" at 10212.7,6299.54 h20; PIN_NUMBER "1" at 10272.7,6299.54 h20
C3: PIN_NUMBER "1" at 10149.25,6584.65 h20 r90; PIN_NUMBER "2" at 10149.25,6524.65 h20 r90
C4: PIN_NUMBER "2" at 10302.75,6254.54 h20; PIN_NUMBER "1" at 10342.75,6254.54 h20
C5: PIN_NUMBER "1" at 10239.25,6729.65 h20 r90; PIN_NUMBER "2" at 10239.25,6669.65 h20 r90
C6: PIN_NUMBER "1" at 10184.25,6729.65 h20 r90; PIN_NUMBER "2" at 10184.25,6669.65 h20 r90
C7: PIN_NUMBER "1" at 10229.25,6859.65 h20 r90; PIN_NUMBER "2" at 10229.25,6799.65 h20 r90
C8: PIN_NUMBER "1" at 10179.25,6859.65 h20 r90; PIN_NUMBER "2" at 10179.25,6799.65 h20 r90
C9: PIN_NUMBER "1" at 10504.25,6384.65 h20; PIN_NUMBER "2" at 10444.25,6384.65 h20
C10: PIN_NUMBER "2" at 9644.25,6554.65 h20 r180; PIN_NUMBER "1" at 9584.25,6554.65 h20 r180
C11: PIN_NUMBER "2" at 9574.25,6439.65 h20 r90; PIN_NUMBER "1" at 9574.25,6499.65 h20 r90
C12: PIN_NUMBER "2" at 9449.25,6729.65 h20; PIN_NUMBER "1" at 9509.25,6729.65 h20
C13: PIN_NUMBER "2" at 10484.25,6594.65 h20; PIN_NUMBER "1" at 10544.25,6594.65 h20
C14: PIN_NUMBER "2" at 9929.25,6154.65 h20; PIN_NUMBER "1" at 9989.25,6154.65 h20
C15: PIN_NUMBER "2" at 10109.25,6454.65 h20; PIN_NUMBER "1" at 10169.25,6454.65 h20
C16: PIN_NUMBER "2" at 9839.25,6894.65 h20 r270; PIN_NUMBER "1" at 9839.25,6834.65 h20 r270
C17: PIN_NUMBER "2" at 10044.25,6819.65 h20 r90; PIN_NUMBER "1" at 10044.25,6879.65 h20 r90
C18: PIN_NUMBER "1" at 10442.46,6077.86 h20 r225; PIN_NUMBER "2" at 10526.04,6161.44 h20 r225
C19: PIN_NUMBER "1" at 9984.25,6804.6 h20 r270; PIN_NUMBER "2" at 9984.25,6844.6 h20 r270
CP1: PIN_NUMBER "2" at 10239.2,6569.65 h20 r180; PIN_NUMBER "1" at 10199.2,6569.65 h20 r180
CP2: PIN_NUMBER "2" at 9569.25,6599.7 h20 r90; PIN_NUMBER "1" at 9569.25,6639.7 h20 r90
CP3: PIN_NUMBER "1" at 9699.25,6524.7 h20 r90; PIN_NUMBER "2" at 9699.25,6484.7 h20 r90
CP4: PIN_NUMBER "2" at 10504.3,6639.65 h20; PIN_NUMBER "1" at 10544.3,6639.65 h20
CP5: PIN_NUMBER "2" at 9619.25,6439.7 h20 r90; PIN_NUMBER "1" at 9619.25,6479.7 h20 r90
CP6: PIN_NUMBER "2" at 9444.3,6774.65 h20; PIN_NUMBER "1" at 9484.3,6774.65 h20
CP7: PIN_NUMBER "2" at 10104.25,6549.7 h20 r90; PIN_NUMBER "1" at 10104.25,6589.7 h20 r90
CP8: PIN_NUMBER "2" at 10104.25,6334.7 h20 r90; PIN_NUMBER "1" at 10104.25,6374.7 h20 r90
CP9: PIN_NUMBER "2" at 10524.2,6729.65 h20 r180; PIN_NUMBER "1" at 10484.2,6729.65 h20 r180
CP10: PIN_NUMBER "2" at 9794.25,6874.6 h20 r270; PIN_NUMBER "1" at 9794.25,6834.6 h20 r270
CP11: PIN_NUMBER "1" at 10564.25,6319.6 h20 r270; PIN_NUMBER "2" at 10564.25,6359.6 h20 r270
CP12: PIN_NUMBER "2" at 9669.25,7084.7 h20 r90; PIN_NUMBER "1" at 9669.25,7124.7 h20 r90
CP13: PIN_NUMBER "1" at 9694.25,6369.7 h20 r90; PIN_NUMBER "2" at 9694.25,6329.7 h20 r90
CP14: PIN_NUMBER "2" at 9254.25,6849.6 h20 r270; PIN_NUMBER "1" at 9254.25,6809.6 h20 r270
CP15: PIN_NUMBER "1" at 9259.25,6484.7 h20 r90; PIN_NUMBER "2" at 9259.25,6444.7 h20 r90
CP16: PIN_NUMBER "2" at 9724.25,6974.7 h20 r90; PIN_NUMBER "1" at 9724.25,7014.7 h20 r90
CP17: PIN_NUMBER "2" at 9559.3,6364.65 h20; PIN_NUMBER "1" at 9599.3,6364.65 h20
CP18: PIN_NUMBER "1" at 10564.25,6239.6 h20 r270; PIN_NUMBER "2" at 10564.25,6279.6 h20 r270
H13: PIN_NUMBER "1" at 10569.96,7180.36 h20
H14: PIN_NUMBER "1" at 10569.96,5841.84 h20
H15: PIN_NUMBER "1" at 9231.38,5841.84 h20
H16: PIN_NUMBER "1" at 9231.38,7180.42 h20
HS1: PIN_NUMBER "1" at 9881.25,6164.65 h15
J1: PIN_NUMBER "30" at 9595.66,6079.89 h20; PIN_NUMBER "33" at 9562.19,5894.85 h20; PIN_NUMBER "28" at 9635.03,6079.89 h20; PIN_NUMBER "20" at 9792.51,6079.89 h20; PIN_NUMBER "21" at 9753.14,5859.41 h20; PIN_NUMBER "34" at 10180.31,5894.85 h20; PIN_NUMBER "16" at 9871.25,6079.89 h20; PIN_NUMBER "4" at 10115.47,6079.89 h20; PIN_NUMBER "8" at 10036.73,6079.89 h20; PIN_NUMBER "32" at 10199.01,5985.4 h20; PIN_NUMBER "5" at 10076.1,5859.41 h20; PIN_NUMBER "9" at 9997.36,5859.41 h20; PIN_NUMBER "31" at 9543.49,5985.4 h20; PIN_NUMBER "29" at 9595.66,5859.41 h20; PIN_NUMBER "15" at 9871.25,5859.41 h20; PIN_NUMBER "19" at 9792.51,5859.41 h20; PIN_NUMBER "23" at 9713.77,5859.41 h20; PIN_NUMBER "14" at 9910.62,6079.89 h20; PIN_NUMBER "18" at 9831.88,6079.89 h20; PIN_NUMBER "22" at 9753.14,6079.89 h20; PIN_NUMBER "13" at 9910.62,5859.41 h20; PIN_NUMBER "12" at 9949.99,6079.89 h20; PIN_NUMBER "10" at 9989.36,6079.89 h20; PIN_NUMBER "11" at 9949.99,5859.41 h20; PIN_NUMBER "6" at 10076.1,6079.89 h20; PIN_NUMBER "3" at 10115.47,5859.41 h20; PIN_NUMBER "7" at 10036.73,5859.41 h20; PIN_NUMBER "25" at 9674.4,5859.41 h20; PIN_NUMBER "24" at 9713.77,6079.89 h20; PIN_NUMBER "26" at 9674.4,6079.89 h20; PIN_NUMBER "17" at 9831.88,5859.41 h20; PIN_NUMBER "27" at 9635.03,5859.41 h20; PIN_NUMBER "1" at 10154.84,5859.41 h20; PIN_NUMBER "2" at 10154.84,6079.89 h20; Bottom Overlay "11" at 9985.68,5796.43 h20; Bottom Overlay "10" at 10028.99,6119.26 h20; Bottom Overlay "29" at 9631.35,5796.43 h20; Bottom Overlay "30" at 9591.25,6086.32 h20; Bottom Overlay "2" at 10170.72,6119.26 h20; Bottom Overlay "1" at 10170.72,5792.49 h20
J6: PIN_NUMBER "2" at 9336.82,6246.96 h20 r120; PIN_NUMBER "1" at 9317.14,6281.06 h20 r120; PIN_NUMBER "3" at 9356.51,6212.86 h20 r120; PIN_NUMBER "5" at 9323.04,6079.89 h20 r120; PIN_NUMBER "4" at 9376.2,6178.77 h20 r120; PIN_NUMBER "6" at 9204.93,6284.47 h20 r120; Bottom Overlay "1" at 9329.7,6351.88 h20 r120
L1: PIN_NUMBER "2" at 10212.7,6349.54 h20; PIN_NUMBER "1" at 10272.7,6349.54 h20
L2: PIN_NUMBER "2" at 10484.25,6684.65 h20; PIN_NUMBER "1" at 10544.25,6684.65 h20
L3: PIN_NUMBER "1" at 9519.25,6679.65 h20 r90; PIN_NUMBER "2" at 9519.25,6619.65 h20 r90
L4: PIN_NUMBER "1" at 10335.47,5995.87 h20 r45; PIN_NUMBER "2" at 10293.04,5953.44 h20 r45
L5: PIN_NUMBER "1" at 9719.25,7124.65 h20 r90; PIN_NUMBER "2" at 9719.25,7064.65 h20 r90
R1: PIN_NUMBER "1" at 10134.25,6229.65 h20 r180; PIN_NUMBER "2" at 10174.25,6229.65 h20 r180
R2: PIN_NUMBER "2" at 9554.25,6274.65 h20; PIN_NUMBER "1" at 9594.25,6274.65 h20
R3: PIN_NUMBER "1" at 10089.25,6819.65 h20 r270; PIN_NUMBER "2" at 10089.25,6859.65 h20 r270
R4: PIN_NUMBER "1" at 10129.25,6859.65 h20 r90; PIN_NUMBER "2" at 10129.25,6819.65 h20 r90
R5: PIN_NUMBER "2" at 9654.25,6689.65 h20; PIN_NUMBER "1" at 9694.25,6689.65 h20
R6: PIN_NUMBER "2" at 9654.25,6649.65 h20; PIN_NUMBER "1" at 9694.25,6649.65 h20
R7: PIN_NUMBER "2" at 9654.25,6609.65 h20; PIN_NUMBER "1" at 9694.25,6609.65 h20
R8: PIN_NUMBER "1" at 9554.25,6229.65 h20 r180; PIN_NUMBER "2" at 9594.25,6229.65 h20 r180
R9: PIN_NUMBER "1" at 9449.25,6149.65 h20 r180; PIN_NUMBER "2" at 9489.25,6149.65 h20 r180
R10: PIN_NUMBER "1" at 9449.25,6189.65 h20 r180; PIN_NUMBER "2" at 9489.25,6189.65 h20 r180
R11: PIN_NUMBER "2" at 9654.25,6409.65 h20; PIN_NUMBER "1" at 9694.25,6409.65 h20
R12: PIN_NUMBER "2" at 9554.25,6189.65 h20; PIN_NUMBER "1" at 9594.25,6189.65 h20
R13: PIN_NUMBER "1" at 9449.25,6229.65 h20 r180; PIN_NUMBER "2" at 9489.25,6229.65 h20 r180
R14: PIN_NUMBER "1" at 9554.25,6149.65 h20 r180; PIN_NUMBER "2" at 9594.25,6149.65 h20 r180
R17: PIN_NUMBER "2" at 9984.25,6884.65 h20 r90; PIN_NUMBER "1" at 9984.25,6924.65 h20 r90
U1: PIN_NUMBER "A14" at 9643.34,6716.87 h25 r90; PIN_NUMBER "R14" at 10155.16,6716.87 h25 r90; PIN_NUMBER "K14" at 9977.99,6736.56 h25 r90; PIN_NUMBER "L14" at 10017.36,6736.56 h25 r90; PIN_NUMBER "J14" at 9938.62,6736.56 h25 r90; PIN_NUMBER "H14" at 9899.25,6736.56 h25 r90; PIN_NUMBER "G14" at 9859.88,6736.56 h25 r90; PIN_NUMBER "A12" at 9623.66,6657.82 h25 r90; PIN_NUMBER "F1" at 9830.51,6224.74 h25 r90; PIN_NUMBER "H1" at 9909.25,6224.74 h25 r90; PIN_NUMBER "A7" at 9633.66,6460.96 h25 r90; PIN_NUMBER "A9" at 9633.66,6539.71 h25 r90; PIN_NUMBER "A10" at 9623.66,6579.08 h25 r90; PIN_NUMBER "R7" at 10184.84,6460.96 h25 r90; PIN_NUMBER "J1" at 9948.62,6224.74 h25 r90; PIN_NUMBER "A6" at 9633.66,6421.59 h25 r90; PIN_NUMBER "R6" at 10184.84,6421.59 h25 r90; PIN_NUMBER "A11" at 9623.66,6618.45 h25 r90; PIN_NUMBER "R9" at 10184.84,6539.71 h25 r90; PIN_NUMBER "R3" at 10184.84,6303.48 h25 r90; PIN_NUMBER "R4" at 10184.84,6342.85 h25 r90; PIN_NUMBER "R5" at 10184.84,6382.22 h25 r90; PIN_NUMBER "L1" at 10027.36,6224.74 h25 r90; PIN_NUMBER "M1" at 10066.73,6224.74 h25 r90; PIN_NUMBER "N1" at 10106.1,6224.74 h25 r90; PIN_NUMBER "C1" at 9712.4,6224.74 h25 r90; PIN_NUMBER "E1" at 9791.14,6224.74 h25 r90; PIN_NUMBER "D1" at 9751.77,6224.74 h25 r90; PIN_NUMBER "A4" at 9633.66,6342.85 h25 r90; PIN_NUMBER "A5" at 9633.66,6382.22 h25 r90; PIN_NUMBER "A3" at 9633.66,6303.48 h25 r90; PIN_NUMBER "A8" at 9633.66,6500.34 h25 r90; PIN_NUMBER "M14" at 10056.73,6736.56 h25 r90; PIN_NUMBER "E14" at 9781.14,6736.56 h25 r90; PIN_NUMBER "F14" at 9820.51,6736.56 h25 r90; PIN_NUMBER "C14" at 9702.4,6736.56 h25 r90; PIN_NUMBER "D14" at 9741.77,6736.56 h25 r90; PIN_NUMBER "R10" at 10174.84,6579.08 h25 r90; PIN_NUMBER "N14" at 10096.1,6736.56 h25 r90; PIN_NUMBER "R8" at 10184.84,6500.34 h25 r90; PIN_NUMBER "R12" at 10174.84,6657.82 h25 r90; PIN_NUMBER "K1" at 9987.99,6224.74 h25 r90; PIN_NUMBER "A1" at 9653.34,6244.43 h25 r90; PIN_NUMBER "R11" at 10174.84,6618.45 h25 r90; PIN_NUMBER "G1" at 9869.88,6224.74 h25 r90; PIN_NUMBER "R1" at 10165.16,6244.43 h25 r90; Top Overlay "A" at 9654.12,6173.44 h15 r90; Top Overlay "B" at 9693.49,6177.37 h15 r90; Top Overlay "C" at 9732.86,6177.37 h15 r90; Top Overlay "D" at 9768.42,6177.84 h15 r90; Top Overlay "E" at 9807.79,6177.84 h15 r90; Top Overlay "F" at 9847.16,6177.84 h15 r90; Top Overlay "G" at 9886.53,6177.84 h15 r90; Top Overlay "H" at 9925.9,6177.84 h15 r90; Top Overlay "J" at 9965.27,6177.84 h15 r90; Top Overlay "K" at 10004.64,6177.84 h15 r90; Top Overlay "L" at 10047.95,6177.84 h15 r90; Top Overlay "M" at 10087.32,6177.84 h15 r90; Top Overlay "N" at 10126.69,6177.84 h15 r90; Top Overlay "P" at 10169.87,6177.37 h15 r90; Top Overlay "R" at 10208.78,6177.5 h15 r90; Top Overlay "14" at 9618.69,6725.43 h15 r90; Top Overlay "13" at 9618.69,6682.12 h15 r90; Top Overlay "12" at 9618.69,6642.75 h15 r90; Top Overlay "11" at 9618.69,6599.45 h15 r90; Top Overlay "10" at 9618.69,6556.14 h15 r90; Top Overlay "9" at 9618.23,6531.83 h15 r90; Top Overlay "8" at 9618.23,6492.46 h15 r90; Top Overlay "7" at 9618.23,6453.09 h15 r90; Top Overlay "6" at 9618.23,6413.72 h15 r90; Top Overlay "5" at 9618.23,6374.35 h15 r90; Top Overlay "4" at 9618.23,6334.98 h15 r90; Top Overlay "3" at 9618.69,6299.43 h15 r90; Top Overlay "2" at 9618.69,6260.06 h15 r90; Top Overlay "1" at 9620.85,6212.93 h15 r90; DIMENSION "15" at 9952.87,6783.8 h15 r180; DIMENSION "14.5" at 9602.48,6539.71 h15 r90; DIMENSION "1" at 9752.08,6268.06 h15 r180; NOTE "(SONY IMX035ES)" at 10274.4,6390.1 h15 r90; NOTE "(H=14.5MM V=15MM T=2.13MM PIN-PIN=1MM)" at 10294.08,6319.23 h15 r90
U2: PIN_NUMBER "3" at 10503.25,6242.25 h25; PIN_NUMBER "1" at 10503.25,6317.06 h25; PIN_NUMBER "2" at 10503.25,6279.65 h25; PIN_NUMBER "5" at 10401.25,6317.06 h25; PIN_NUMBER "4" at 10401.25,6242.25 h25
U3: PIN_NUMBER "3" at 10509.25,6440.65 h20 r180; PIN_NUMBER "1" at 10469.25,6528.65 h20 r180; PIN_NUMBER "2" at 10549.25,6528.65 h20 r180
U4: PIN_NUMBER "5" at 10047.17,6627.3 h20 r90; PIN_NUMBER "14" at 10039.17,6450.12 h20 r90; PIN_NUMBER "42" at 9743.89,6587.93 h20 r90; PIN_NUMBER "31" at 9743.89,6371.38 h20 r90; PIN_NUMBER "1" at 10047.17,6706.03 h20 r90; PIN_NUMBER "4" at 10047.17,6646.97 h20 r90; PIN_NUMBER "45" at 9743.89,6646.97 h20 r90; PIN_NUMBER "48" at 9743.89,6706.03 h20 r90; PIN_NUMBER "15" at 10039.17,6430.44 h20 r90; PIN_NUMBER "10" at 10039.17,6528.86 h20 r90; PIN_NUMBER "34" at 9743.89,6430.44 h20 r90; PIN_NUMBER "39" at 9743.89,6528.86 h20 r90; PIN_NUMBER "21" at 10039.17,6312.33 h20 r90; PIN_NUMBER "24" at 10039.17,6253.27 h20 r90; PIN_NUMBER "25" at 9743.89,6253.27 h20 r90; PIN_NUMBER "28" at 9743.89,6312.33 h20 r90; PIN_NUMBER "41" at 9743.89,6568.23 h20 r90; PIN_NUMBER "7" at 10047.17,6587.93 h20 r90; PIN_NUMBER "18" at 10039.17,6371.38 h20 r90; PIN_NUMBER "40" at 9743.89,6548.56 h20 r90; PIN_NUMBER "43" at 9743.89,6607.6 h20 r90; PIN_NUMBER "30" at 9743.89,6351.7 h20 r90; PIN_NUMBER "29" at 9743.89,6332.01 h20 r90; PIN_NUMBER "37" at 9743.89,6489.49 h20 r90; PIN_NUMBER "38" at 9743.89,6509.18 h20 r90; PIN_NUMBER "33" at 9743.89,6410.75 h20 r90; PIN_NUMBER "32" at 9743.89,6391.07 h20 r90; PIN_NUMBER "36" at 9743.89,6469.81 h20 r90; PIN_NUMBER "27" at 9743.89,6292.64 h20 r90; PIN_NUMBER "26" at 9743.89,6272.96 h20 r90; PIN_NUMBER "20" at 10039.17,6332.01 h20 r90; PIN_NUMBER "22" at 10039.17,6292.64 h20 r90; PIN_NUMBER "23" at 10039.17,6272.96 h20 r90; PIN_NUMBER "16" at 10039.17,6410.75 h20 r90; PIN_NUMBER "17" at 10039.17,6391.07 h20 r90; PIN_NUMBER "19" at 10039.17,6351.7 h20 r90; PIN_NUMBER "11" at 10039.17,6509.18 h20 r90; PIN_NUMBER "13" at 10039.17,6469.81 h20 r90; PIN_NUMBER "12" at 10039.17,6489.49 h20 r90; PIN_NUMBER "8" at 10047.17,6568.23 h20 r90; PIN_NUMBER "6" at 10047.17,6607.6 h20 r90; PIN_NUMBER "9" at 10047.17,6548.56 h20 r90; PIN_NUMBER "3" at 10047.17,6666.66 h20 r90; PIN_NUMBER "2" at 10047.17,6686.34 h20 r90; PIN_NUMBER "35" at 9743.89,6450.12 h20 r90; PIN_NUMBER "44" at 9743.89,6627.3 h20 r90; PIN_NUMBER "46" at 9743.89,6666.66 h20 r90; PIN_NUMBER "47" at 9743.89,6686.34 h20 r90; DIMENSION "0.60mm" at 9812.95,6728.56 h18; DIMENSION "6.90mm" at 9952.06,6267.97 h18; DIMENSION "8.10mm" at 9952.62,6240.19 h18; DIMENSION "0.50mm" at 9827.77,6718.02 h18 r90; DIMENSION "12.50mm" at 10010.12,6531.41 h18 r90; NOTE "(TI DGG (R-PDSG-G**))" at 10182.53,6714.65 h20 r90; NOTE "(H=12.5MM V=8.1MM T=1.2MM PIN-PIN=0.5MM)" at 10232.53,6714.65 h20 r90